# Altium PCB BRG_Daughter_Single.PcbDoc (part 2 of 2)
Units mil, origin at the board's own origin, x right, y up, seen from the top; angles counter-clockwise.
Board outline 3325 x 3080 mil, 4 copper layers (TOP, GND, PWR, BOT), stack 62.731 mil thick; 19 components, 38 nets, 170 pads, 89 vias.
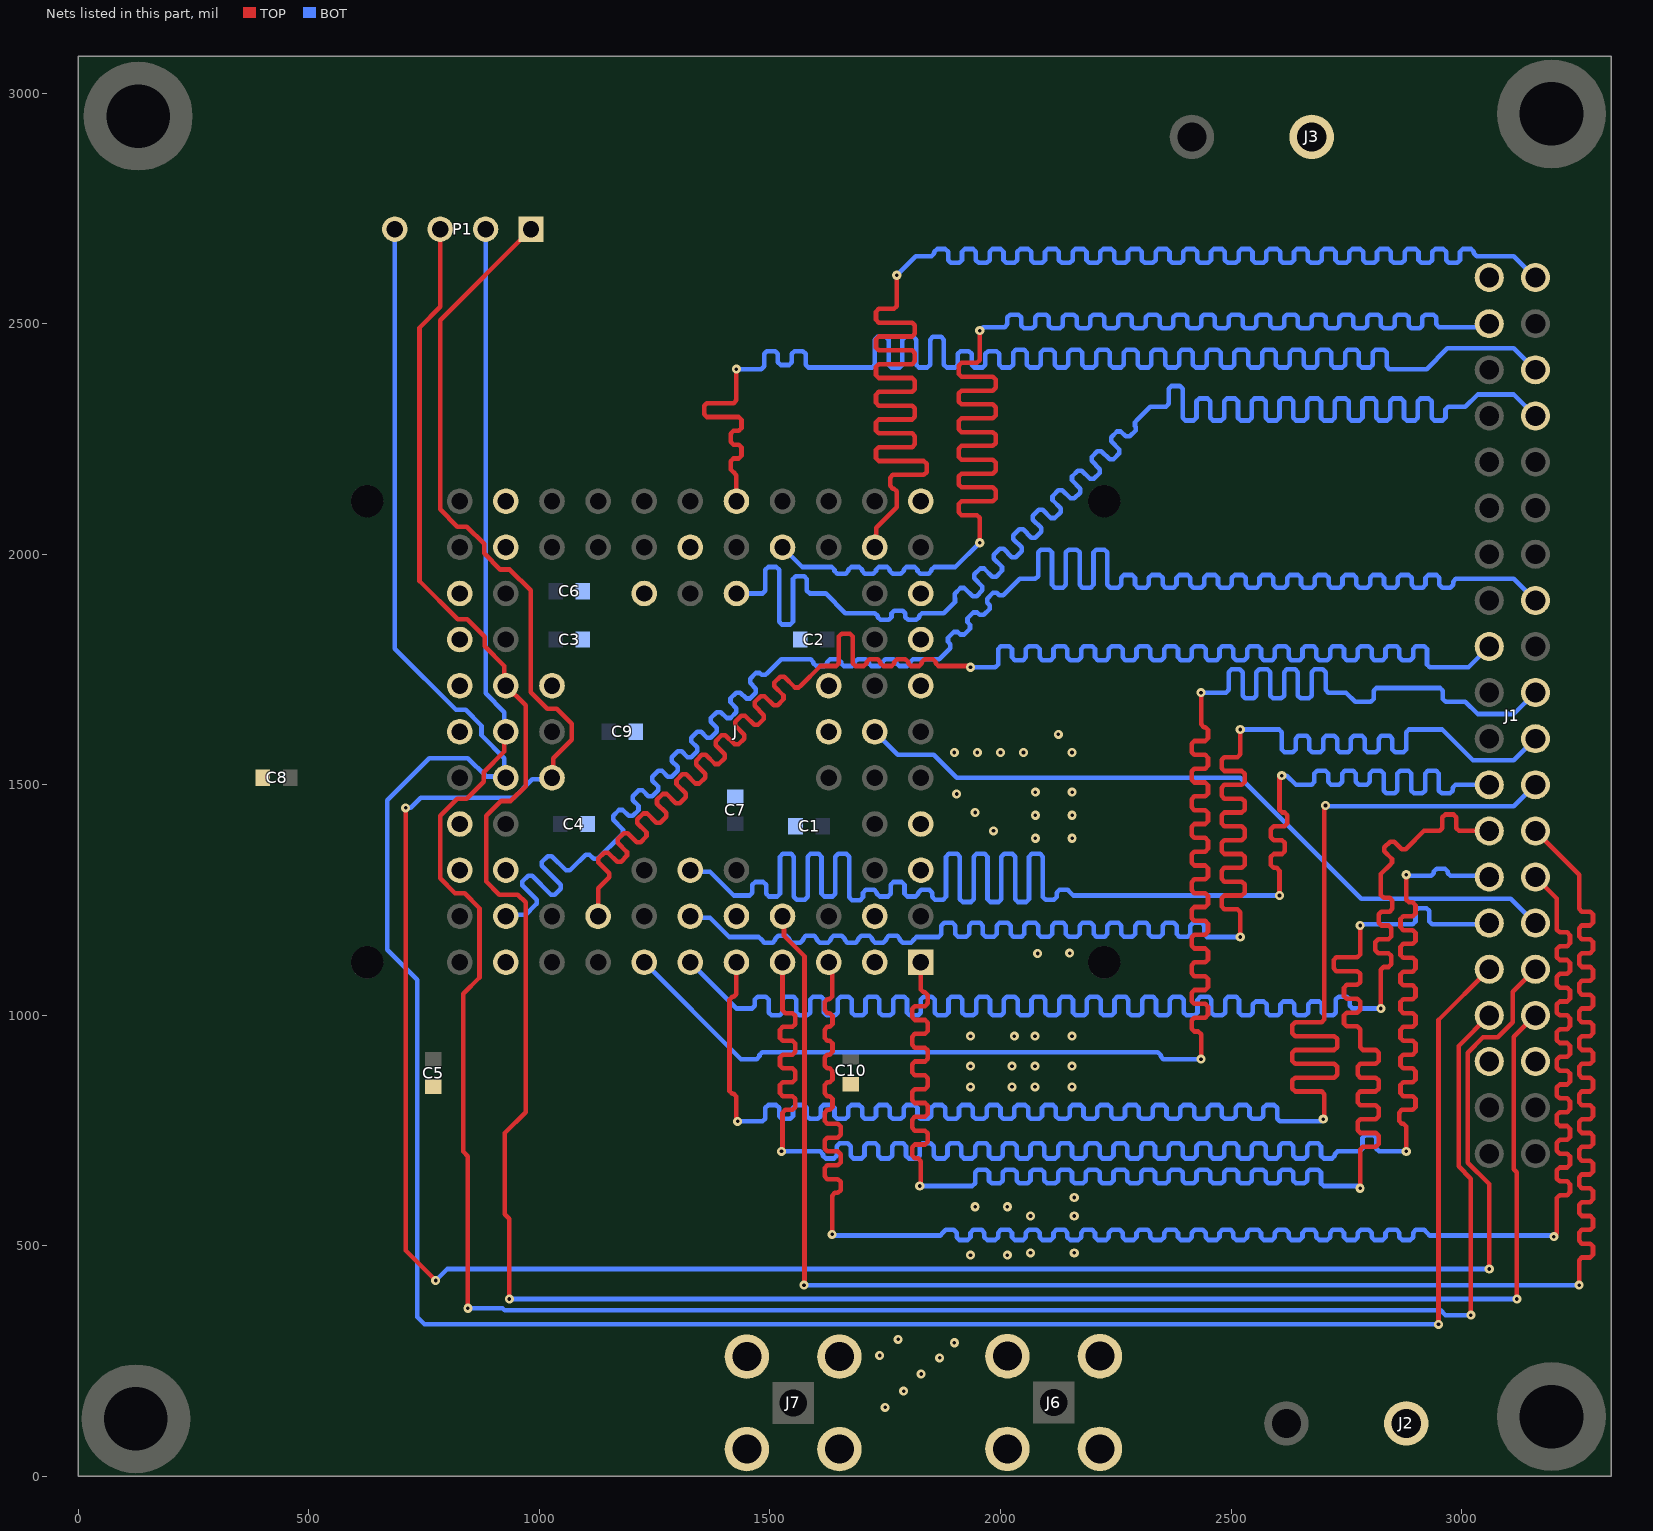
[diagram p4: the nets of this part, all layers, seen from the top]

## Via types
v1: diameter 19.68, hole 7.87, TOP to BOT, 89 vias

## Nets (pads, with @x,y where several pads share a name; then routed paths per layer and width w, separated by ;. In a path a pad name is that pad's centre, name@x,y a point inside that pad or via, vN(x,y) a via of type N, cw(c..) or ccw(c..) an arc to the next point about the centre after c; other vN are vias at no path point) (continued)
CRED_MSG_DOWN_7: J1.8 J.J5 | length 3679.5
  BOT w10: J.J5@1427.36,1915 1479.08,1915 1484.08,1915 1490.08,1921 1490.08,1966.28 1496.08,1972.28 1514.08,1972.28 1520.08,1966.28 1520.08,1853.72 1526.08,1847.72 1544.08,1847.72 1550.08,1853.72 1550.08,1946.28 1556.08,1952.28 1574.08,1952.28 1580.08,1946.28 1580.08,1921 1586.08,1915 1591.08,1915 1621,1915 1663.71,1872.28 1722.71,1872.28 1727.71,1872.28 1733.71,1866.28 1733.71,1863.72 1739.71,1857.72 1757.71,1857.72 1763.71,1863.72 1763.71,1871.78 1769.71,1877.78 1787.71,1877.78 1793.71,1871.78 1793.71,1863.72 1799.71,1857.72 1817.71,1857.72 1823.71,1863.72 1823.71,1866.28 1829.71,1872.28 1834.71,1872.28 1877.28,1872.28 1897.79,1892.79 1901.32,1896.32 1901.32,1904.81 1900.59,1905.54 1900.59,1914.03 1913.32,1926.75 1921.81,1926.75 1939.65,1908.91 1948.14,1908.91 1960.87,1921.63 1960.87,1930.12 1943.02,1947.97 1943.02,1956.45 1955.75,1969.18 1964.23,1969.18 1982.08,1951.33 1990.57,1951.33 2003.29,1964.06 2003.29,1972.55 1985.45,1990.39 1985.45,1998.88 1998.18,2011.61 2006.66,2011.61 2024.51,1993.76 2032.99,1993.76 2045.72,2006.49 2045.72,2014.97 2027.87,2032.82 2027.87,2041.31 2040.6,2054.03 2049.09,2054.03 2066.93,2036.19 2075.42,2036.19 2088.15,2048.91 2088.15,2057.4 2070.3,2075.25 2070.3,2083.73 2083.03,2096.46 2091.51,2096.46 2109.36,2078.61 2117.85,2078.61 2130.57,2091.34 2130.57,2099.83 2112.73,2117.67 2112.73,2126.16 2125.45,2138.89 2133.94,2138.89 2151.79,2121.04 2160.27,2121.04 2173,2133.77 2173,2142.25 2155.15,2160.1 2155.15,2168.58 2167.88,2181.31 2176.37,2181.31 2194.21,2163.47 2202.7,2163.47 2215.43,2176.19 2215.43,2184.68 2197.58,2202.53 2197.58,2211.01 2210.31,2223.74 2218.79,2223.74 2236.64,2205.89 2245.12,2205.89 2257.85,2218.62 2257.85,2227.1 2240.01,2244.95 2240.01,2253.44 2252.73,2266.17 2261.22,2266.17 2271.79,2255.59 2280.28,2255.59 2293,2268.32 2293,2276.81 2291.65,2278.16 2291.65,2286.65 2295.18,2290.18 2325,2320 2354,2320 2359,2320 2365,2326 2365,2359 2371,2365 2389,2365 2395,2359 2395,2296 2401,2290 2419,2290 2425,2296 2425,2331.68 2431,2337.68 2449,2337.68 2455,2331.68 2455,2296 2461,2290 2479,2290 2485,2296 2485,2331.68 2491,2337.68 2509,2337.68 2515,2331.68 2515,2296 2521,2290 2539,2290 2545,2296 2545,2331.68 2551,2337.68 2569,2337.68 2575,2331.68 2575,2296 2581,2290 2599,2290 2605,2296 2605,2331.68 2611,2337.68 2629,2337.68 2635,2331.68 2635,2296 2641,2290 2659,2290 2665,2296 2665,2331.68 2671,2337.68 2689,2337.68 2695,2331.68 2695,2296 2701,2290 2719,2290 2725,2296 2725,2331.68 2731,2337.68 2749,2337.68 2755,2331.68 2755,2296 2761,2290 2779,2290 2785,2296 2785,2331.68 2791,2337.68 2809,2337.68 2815,2331.68 2815,2296 2821,2290 2839,2290 2845,2296 2845,2331.68 2851,2337.68 2869,2337.68 2875,2331.68 2875,2296 2881,2290 2899,2290 2905,2296 2905,2331.68 2911,2337.68 2929,2337.68 2935,2331.68 2935,2296 2941,2290 2959,2290 2965,2296 2965,2314 2971,2320 2976,2320 3008.28,2320 3034.78,2346.5 3113.5,2346.5 J1.8@3160,2300
CRED_MSG_UP_0: J1.29 J.A1 | length 3785.5
  TOP w10: v1(1825,630) 1827.36,632.36 1827.36,679 1827.36,684 1821.36,690 1814.36,690 1808.36,696 1808.36,714 1814.36,720 1836.36,720 1842.36,726 1842.36,744 1836.36,750 1814.36,750 1808.36,756 1808.36,774 1814.36,780 1836.36,780 1842.36,786 1842.36,804 1836.36,810 1814.36,810 1808.36,816 1808.36,834 1814.36,840 1836.36,840 1842.36,846 1842.36,864 1836.36,870 1814.36,870 1808.36,876 1808.36,894 1814.36,900 1836.36,900 1842.36,906 1842.36,924 1836.36,930 1814.36,930 1808.36,936 1808.36,954 1814.36,960 1836.36,960 1842.36,966 1842.36,984 1836.36,990 1814.36,990 1808.36,996 1808.36,1014 1814.36,1020 1836.36,1020 1842.36,1026 1842.36,1044 1836.36,1050 1833.36,1050 1827.36,1056 1827.36,1061 J.A1@1827.36,1115 ; v1(2780,625) 2780,704 2780,709 2786,715 2814,715 2820,721 2820,739 2814,745 2780.5,745 2774.5,751 2774.5,769 2780.5,775 2814,775 2820,781 2820,799 2814,805 2780.5,805 2774.5,811 2774.5,829 2780.5,835 2814,835 2820,841 2820,859 2814,865 2780.5,865 2774.5,871 2774.5,889 2780.5,895 2814,895 2820,901 2820,919 2814,925 2786,925 2780,931 2780,936 2780,965 2780,970 2774,976 2751,976 2745,982 2745,1000 2751,1006 2774,1006 2780,1012 2780,1030 2774,1036 2751,1036 2745,1042 2745,1060 2751,1066 2774,1066 2780,1072 2780,1090 2774,1096 2728.5,1096 2722.5,1102 2722.5,1120 2728.5,1126 2774,1126 2780,1132 2780,1137 v1(2780,1195)
  BOT w10: v1(1825,630) 1934,630 1939,630 1945,636 1945,659.5 1951,665.5 1969,665.5 1975,659.5 1975,641.5 1981,635.5 1999,635.5 2005,641.5 2005,659.5 2011,665.5 2029,665.5 2035,659.5 2035,641.5 2041,635.5 2059,635.5 2065,641.5 2065,659.5 2071,665.5 2089,665.5 2095,659.5 2095,641.5 2101,635.5 2119,635.5 2125,641.5 2125,659.5 2131,665.5 2149,665.5 2155,659.5 2155,641.5 2161,635.5 2179,635.5 2185,641.5 2185,659.5 2191,665.5 2209,665.5 2215,659.5 2215,641.5 2221,635.5 2239,635.5 2245,641.5 2245,659.5 2251,665.5 2269,665.5 2275,659.5 2275,641.5 2281,635.5 2299,635.5 2305,641.5 2305,659.5 2311,665.5 2329,665.5 2335,659.5 2335,641.5 2341,635.5 2359,635.5 2365,641.5 2365,659.5 2371,665.5 2389,665.5 2395,659.5 2395,641.5 2401,635.5 2419,635.5 2425,641.5 2425,659.5 2431,665.5 2449,665.5 2455,659.5 2455,641.5 2461,635.5 2479,635.5 2485,641.5 2485,659.5 2491,665.5 2509,665.5 2515,659.5 2515,641.5 2521,635.5 2539,635.5 2545,641.5 2545,659.5 2551,665.5 2569,665.5 2575,659.5 2575,641.5 2581,635.5 2599,635.5 2605,641.5 2605,659.5 2611,665.5 2629,665.5 2635,659.5 2635,641.5 2641,635.5 2659,635.5 2665,641.5 2665,659.5 2671,665.5 2689,665.5 2695,659.5 2695,636 2701,630 2706,630 2775,630 v1(2780,625) ; v1(2780,1195) 2782.5,1197.5 2889,1197.5 2894,1197.5 2900,1203.5 2900,1226.5 2906,1232.5 2924,1232.5 2930,1226.5 2930,1203.5 2936,1197.5 2941,1197.5 3057.5,1197.5 J1.29@3060,1200
CRED_MSG_UP_1: J1.28 J.A3 | length 4148.4
  TOP w10: J.A3@1627.36,1115 1635,1107.36 1635,1046 1635,1041 1629,1035 1624.5,1035 1618.5,1029 1618.5,1011 1624.5,1005 1629.78,1005 1635.78,999 1635.78,981 1629.78,975 1624.5,975 1618.5,969 1618.5,951 1624.5,945 1629.78,945 1635.78,939 1635.78,921 1629.78,915 1624.5,915 1618.5,909 1618.5,891 1624.5,885 1629.78,885 1635.78,879 1635.78,861 1629.78,855 1624.5,855 1618.5,849 1618.5,831 1624.5,825 1629.78,825 1635.78,819 1635.78,801 1629.78,795 1624.5,795 1618.5,789 1618.5,771 1624.5,765 1647.5,765 1653.5,759 1653.5,741 1647.5,735 1624.5,735 1618.5,729 1618.5,711 1624.5,705 1647.5,705 1653.5,699 1653.5,681 1647.5,675 1624.5,675 1618.5,669 1618.5,651 1624.5,645 1647.5,645 1653.5,639 1653.5,621 1647.5,615 1641,615 1635,609 1635,604 v1(1635,525) ; J1.28@3160,1300 3206.5,1253.5 3206.5,1191 3206.5,1186 3212.5,1180 3229,1180 3235,1174 3235,1156 3229,1150 3212.5,1150 3206.5,1144 3206.5,1126 3212.5,1120 3229,1120 3235,1114 3235,1096 3229,1090 3212.5,1090 3206.5,1084 3206.5,1066 3212.5,1060 3229,1060 3235,1054 3235,1036 3229,1030 3212.5,1030 3206.5,1024 3206.5,1006 3212.5,1000 3229,1000 3235,994 3235,976 3229,970 3212.5,970 3206.5,964 3206.5,946 3212.5,940 3229,940 3235,934 3235,916 3229,910 3212.5,910 3206.5,904 3206.5,886 3212.5,880 3229,880 3235,874 3235,856 3229,850 3212.5,850 3206.5,844 3206.5,826 3212.5,820 3229,820 3235,814 3235,796 3229,790 3212.5,790 3206.5,784 3206.5,766 3212.5,760 3229,760 3235,754 3235,736 3229,730 3212.5,730 3206.5,724 3206.5,706 3212.5,700 3229,700 3235,694 3235,676 3229,670 3212.5,670 3206.5,664 3206.5,646 3212.5,640 3229,640 3235,634 3235,616 3229,610 3212.5,610 3206.5,604 3206.5,599 3206.5,526.5 v1(3200,520)
  BOT w10: v1(1635,525) 1637.5,522.5 1864,522.5 1869,522.5 1875,528.5 1875,528.69 1881,534.69 1899,534.69 1905,528.69 1905,518.84 1911,512.84 1929,512.84 1935,518.84 1935,528.69 1941,534.69 1959,534.69 1965,528.69 1965,518.84 1971,512.84 1989,512.84 1995,518.84 1995,528.69 2001,534.69 2019,534.69 2025,528.69 2025,518.84 2031,512.84 2049,512.84 2055,518.84 2055,528.69 2061,534.69 2079,534.69 2085,528.69 2085,518.84 2091,512.84 2109,512.84 2115,518.84 2115,528.69 2121,534.69 2139,534.69 2145,528.69 2145,518.84 2151,512.84 2169,512.84 2175,518.84 2175,528.69 2181,534.69 2199,534.69 2205,528.69 2205,518.84 2211,512.84 2229,512.84 2235,518.84 2235,528.69 2241,534.69 2259,534.69 2265,528.69 2265,518.84 2271,512.84 2289,512.84 2295,518.84 2295,528.69 2301,534.69 2319,534.69 2325,528.69 2325,518.84 2331,512.84 2349,512.84 2355,518.84 2355,528.69 2361,534.69 2379,534.69 2385,528.69 2385,518.84 2391,512.84 2409,512.84 2415,518.84 2415,528.69 2421,534.69 2439,534.69 2445,528.69 2445,518.84 2451,512.84 2469,512.84 2475,518.84 2475,528.69 2481,534.69 2499,534.69 2505,528.69 2505,518.84 2511,512.84 2529,512.84 2535,518.84 2535,528.69 2541,534.69 2559,534.69 2565,528.69 2565,518.84 2571,512.84 2589,512.84 2595,518.84 2595,528.69 2601,534.69 2619,534.69 2625,528.69 2625,518.84 2631,512.84 2649,512.84 2655,518.84 2655,528.69 2661,534.69 2679,534.69 2685,528.69 2685,518.84 2691,512.84 2709,512.84 2715,518.84 2715,528.69 2721,534.69 2739,534.69 2745,528.69 2745,518.84 2751,512.84 2769,512.84 2775,518.84 2775,528.69 2781,534.69 2799,534.69 2805,528.69 2805,518.84 2811,512.84 2829,512.84 2835,518.84 2835,528.69 2841,534.69 2859,534.69 2865,528.69 2865,518.84 2871,512.84 2889,512.84 2895,518.84 2895,528.69 2901,534.69 2919,534.69 2925,528.69 2925,528.5 2931,522.5 2936,522.5 3197.5,522.5 v1(3200,520)
CRED_MSG_UP_2: J1.27 J.A4 | length 4160.4
  TOP w10: v1(1525,705) 1527.36,707.36 1527.36,784 1527.36,789 1533.36,795 1549,795 1555,801 1555,819 1549,825 1527.86,825 1521.86,831 1521.86,849 1527.86,855 1549,855 1555,861 1555,879 1549,885 1527.86,885 1521.86,891 1521.86,909 1527.86,915 1549,915 1555,921 1555,939 1549,945 1527.86,945 1521.86,951 1521.86,969 1527.86,975 1549,975 1555,981 1555,999 1549,1005 1533.36,1005 1527.36,1011 1527.36,1016 J.A4@1527.36,1115 ; v1(2880,705) 2880,754 2880,759 2874,765 2870.5,765 2864.5,771 2864.5,789 2870.5,795 2894,795 2900,801 2900,819 2894,825 2873.5,825 2867.5,831 2867.5,849 2873.5,855 2894,855 2900,861 2900,879 2894,885 2873.5,885 2867.5,891 2867.5,909 2873.5,915 2894,915 2900,921 2900,939 2894,945 2873.5,945 2867.5,951 2867.5,969 2873.5,975 2894,975 2900,981 2900,999 2894,1005 2873.5,1005 2867.5,1011 2867.5,1029 2873.5,1035 2894,1035 2900,1041 2900,1059 2894,1065 2873.5,1065 2867.5,1071 2867.5,1089 2873.5,1095 2894,1095 2900,1101 2900,1119 2894,1125 2873.5,1125 2867.5,1131 2867.5,1149 2873.5,1155 2894,1155 2900,1161 2900,1179 2894,1185 2873.5,1185 2867.5,1191 2867.5,1209 2873.5,1215 2894,1215 2900,1221 2900,1239 2894,1245 2886,1245 2880,1251 2880,1256 v1(2880,1305)
  BOT w10: v1(1525,705) 1604,705 1609,705 1615,699 1615,695.7 1621,689.7 1639,689.7 1645,695.7 1645,716.25 1651,722.25 1669,722.25 1675,716.25 1675,695.7 1681,689.7 1699,689.7 1705,695.7 1705,716.25 1711,722.25 1729,722.25 1735,716.25 1735,695.7 1741,689.7 1759,689.7 1765,695.7 1765,716.25 1771,722.25 1789,722.25 1795,716.25 1795,695.7 1801,689.7 1819,689.7 1825,695.7 1825,716.25 1831,722.25 1849,722.25 1855,716.25 1855,695.7 1861,689.7 1879,689.7 1885,695.7 1885,716.25 1891,722.25 1909,722.25 1915,716.25 1915,695.7 1921,689.7 1939,689.7 1945,695.7 1945,716.25 1951,722.25 1969,722.25 1975,716.25 1975,695.7 1981,689.7 1999,689.7 2005,695.7 2005,716.25 2011,722.25 2029,722.25 2035,716.25 2035,695.7 2041,689.7 2059,689.7 2065,695.7 2065,716.25 2071,722.25 2089,722.25 2095,716.25 2095,695.7 2101,689.7 2119,689.7 2125,695.7 2125,716.25 2131,722.25 2149,722.25 2155,716.25 2155,695.7 2161,689.7 2179,689.7 2185,695.7 2185,716.25 2191,722.25 2209,722.25 2215,716.25 2215,695.7 2221,689.7 2239,689.7 2245,695.7 2245,716.25 2251,722.25 2269,722.25 2275,716.25 2275,695.7 2281,689.7 2299,689.7 2305,695.7 2305,716.25 2311,722.25 2329,722.25 2335,716.25 2335,695.7 2341,689.7 2359,689.7 2365,695.7 2365,716.25 2371,722.25 2389,722.25 2395,716.25 2395,695.7 2401,689.7 2419,689.7 2425,695.7 2425,716.25 2431,722.25 2449,722.25 2455,716.25 2455,695.7 2461,689.7 2479,689.7 2485,695.7 2485,716.25 2491,722.25 2509,722.25 2515,716.25 2515,695.7 2521,689.7 2539,689.7 2545,695.7 2545,716.25 2551,722.25 2569,722.25 2575,716.25 2575,695.7 2581,689.7 2599,689.7 2605,695.7 2605,716.25 2611,722.25 2629,722.25 2635,716.25 2635,695.7 2641,689.7 2659,689.7 2665,695.7 2665,716.25 2671,722.25 2689,722.25 2695,716.25 2695,695.7 2701,689.7 2719,689.7 2725,695.7 2725,699 2731,705 2736,705 2774,705 2779,705 2785,711 2785,734 2791,740 2809,740 2815,734 2815,711 2821,705 2826,705 v1(2880,705) ; v1(2880,1305) 2882.5,1302.5 2929,1302.5 2934,1302.5 2940,1308.5 2940,1312 2946,1318 2964,1318 2970,1312 2970,1308.5 2976,1302.5 2981,1302.5 3057.5,1302.5 J1.27@3060,1300
CRED_MSG_UP_3: J1.26 J.B4 | length 4123
  TOP w10: J.B4@1527.36,1215 1530.49,1211.87 1530.49,1172.28 1575,1127.77 1575,415.9 v1(1573.95,414.84) ; J1.26@3160,1400 3255,1305 3255,1236 3255,1231 3261,1225 3279,1225 3285,1219 3285,1201 3279,1195 3261,1195 3255,1189 3255,1171 3261,1165 3279,1165 3285,1159 3285,1141 3279,1135 3261,1135 3255,1129 3255,1111 3261,1105 3279,1105 3285,1099 3285,1081 3279,1075 3261,1075 3255,1069 3255,1051 3261,1045 3279,1045 3285,1039 3285,1021 3279,1015 3261,1015 3255,1009 3255,991 3261,985 3279,985 3285,979 3285,961 3279,955 3261,955 3255,949 3255,931 3261,925 3279,925 3285,919 3285,901 3279,895 3261,895 3255,889 3255,871 3261,865 3279,865 3285,859 3285,841 3279,835 3261,835 3255,829 3255,811 3261,805 3279,805 3285,799 3285,781 3279,775 3261,775 3255,769 3255,751 3261,745 3279,745 3285,739 3285,721 3279,715 3261,715 3255,709 3255,691 3261,685 3279,685 3285,679 3285,661 3279,655 3261,655 3255,649 3255,631 3261,625 3279,625 3285,619 3285,601 3279,595 3261,595 3255,589 3255,571 3261,565 3279,565 3285,559 3285,541 3279,535 3261,535 3255,529 3255,511 3261,505 3279,505 3285,499 3285,481 3279,475 3261,475 3255,469 3255,464 v1(3255,415)
  BOT w10: v1(1573.95,414.84) 1574.03,414.92 3254.92,414.92 v1(3255,415)
CRED_MSG_UP_4: J1.25 J.A6 | length 3719.8
  TOP w10: v1(2825,1015) 2825,1094 2825,1099 2831,1105 2841.5,1105 2847.5,1111 2847.5,1129 2841.5,1135 2819,1135 2813,1141 2813,1159 2819,1165 2841.5,1165 2847.5,1171 2847.5,1189 2841.5,1195 2826,1195 2820,1201 2820,1219 2826,1225 2844,1225 2850,1231 2850,1249 2844,1255 2831,1255 2825,1261 2825,1266 2825,1306.57 2845.51,1327.07 2849.04,1330.61 2849.04,1339.1 2832.42,1355.71 2832.42,1364.2 2845.15,1376.93 2853.64,1376.93 2870.25,1360.31 2878.74,1360.31 2882.28,1363.84 2918.43,1400 2947.43,1400 2952.43,1400 2958.43,1406 2958.43,1429.5 2964.43,1435.5 2982.43,1435.5 2988.43,1429.5 2988.43,1406 2994.43,1400 2999.43,1400 J1.25@3060,1400
  BOT w10: J.A6@1327.36,1115 1427.36,1015 1456.36,1015 1461.36,1015 1467.36,1021 1467.36,1034.5 1473.36,1040.5 1491.36,1040.5 1497.36,1034.5 1497.36,1006 1503.36,1000 1521.36,1000 1527.36,1006 1527.36,1034.5 1533.36,1040.5 1551.36,1040.5 1557.36,1034.5 1557.36,1006 1563.36,1000 1581.36,1000 1587.36,1006 1587.36,1034.5 1593.36,1040.5 1611.36,1040.5 1617.36,1034.5 1617.36,1006 1623.36,1000 1641.36,1000 1647.36,1006 1647.36,1034.5 1653.36,1040.5 1671.36,1040.5 1677.36,1034.5 1677.36,1006 1683.36,1000 1701.36,1000 1707.36,1006 1707.36,1034.5 1713.36,1040.5 1731.36,1040.5 1737.36,1034.5 1737.36,1006 1743.36,1000 1761.36,1000 1767.36,1006 1767.36,1034.5 1773.36,1040.5 1791.36,1040.5 1797.36,1034.5 1797.36,1006 1803.36,1000 1821.36,1000 1827.36,1006 1827.36,1034.5 1833.36,1040.5 1851.36,1040.5 1857.36,1034.5 1857.36,1006 1863.36,1000 1881.36,1000 1887.36,1006 1887.36,1034.5 1893.36,1040.5 1911.36,1040.5 1917.36,1034.5 1917.36,1006 1923.36,1000 1941.36,1000 1947.36,1006 1947.36,1034 1953.36,1040 1971.36,1040 1977.36,1034 1977.36,1006 1983.36,1000 2001.36,1000 2007.36,1006 2007.36,1034 2013.36,1040 2031.36,1040 2037.36,1034 2037.36,1006 2043.36,1000 2061.36,1000 2067.36,1006 2067.36,1034 2073.36,1040 2091.36,1040 2097.36,1034 2097.36,1006 2103.36,1000 2121.36,1000 2127.36,1006 2127.36,1034 2133.36,1040 2151.36,1040 2157.36,1034 2157.36,1006 2163.36,1000 2181.36,1000 2187.36,1006 2187.36,1034 2193.36,1040 2211.36,1040 2217.36,1034 2217.36,1006 2223.36,1000 2241.36,1000 2247.36,1006 2247.36,1034 2253.36,1040 2271.36,1040 2277.36,1034 2277.36,1006 2283.36,1000 2301.36,1000 2307.36,1006 2307.36,1034 2313.36,1040 2331.36,1040 2337.36,1034 2337.36,1006 2343.36,1000 2361.36,1000 2367.36,1006 2367.36,1034 2373.36,1040 2391.36,1040 2397.36,1034 2397.36,1006 2403.36,1000 2421.36,1000 2427.36,1006 2427.36,1034 2433.36,1040 2451.36,1040 2457.36,1034 2457.36,1006 2463.36,1000 2481.36,1000 2487.36,1006 2487.36,1034 2493.36,1040 2511.36,1040 2517.36,1034 2517.36,1006 2523.36,1000 2541.36,1000 2547.36,1006 2547.36,1024 2553.36,1030 2571.36,1030 2577.36,1024 2577.36,1006 2583.36,1000 2601.36,1000 2607.36,1006 2607.36,1024 2613.36,1030 2631.36,1030 2637.36,1024 2637.36,1006 2643.36,1000 2661.36,1000 2667.36,1006 2667.36,1024 2673.36,1030 2691.36,1030 2697.36,1024 2697.36,1006 2703.36,1000 2721.36,1000 2727.36,1006 2727.36,1034.54 2733.36,1040.54 2751.36,1040.54 2757.36,1034.54 2757.36,1021 2763.36,1015 2768.36,1015 v1(2825,1015)
CRED_MSG_UP_5: J1.24 J.A5 | length 4160.6
  TOP w10: J.A5@1427.36,1115 1427.36,1046 1421.36,1040 1418.36,1040 1412.36,1034 1412.36,836 1418.36,830 1421.36,830 1427.36,824 1427.36,772.64 v1(1430,770) ; v1(2700,775) 2702.5,777.5 2702.5,824 2702.5,829 2696.5,835 2639,835 2633,841 2633,859 2639,865 2724.22,865 2730.22,871 2730.22,889 2724.22,895 2639,895 2633,901 2633,919 2639,925 2724.22,925 2730.22,931 2730.22,949 2724.22,955 2639,955 2633,961 2633,979 2639,985 2696.5,985 2702.5,991 2702.5,996 2702.5,1452.5 v1(2705,1455)
  BOT w10: v1(1430,770) 1479,770 1484,770 1490,776 1490,799.5 1496,805.5 1514,805.5 1520,799.5 1520,781.5 1526,775.5 1544,775.5 1550,781.5 1550,799.5 1556,805.5 1574,805.5 1580,799.5 1580,781.5 1586,775.5 1604,775.5 1610,781.5 1610,799.5 1616,805.5 1634,805.5 1640,799.5 1640,781.5 1646,775.5 1664,775.5 1670,781.5 1670,799.5 1676,805.5 1694,805.5 1700,799.5 1700,781.5 1706,775.5 1724,775.5 1730,781.5 1730,799.5 1736,805.5 1754,805.5 1760,799.5 1760,781.5 1766,775.5 1784,775.5 1790,781.5 1790,799.5 1796,805.5 1814,805.5 1820,799.5 1820,781.5 1826,775.5 1844,775.5 1850,781.5 1850,799.5 1856,805.5 1874,805.5 1880,799.5 1880,781.5 1886,775.5 1904,775.5 1910,781.5 1910,799.5 1916,805.5 1934,805.5 1940,799.5 1940,781.5 1946,775.5 1964,775.5 1970,781.5 1970,799.5 1976,805.5 1994,805.5 2000,799.5 2000,781.5 2006,775.5 2024,775.5 2030,781.5 2030,799.5 2036,805.5 2054,805.5 2060,799.5 2060,781.5 2066,775.5 2084,775.5 2090,781.5 2090,799.5 2096,805.5 2114,805.5 2120,799.5 2120,781.5 2126,775.5 2144,775.5 2150,781.5 2150,799.5 2156,805.5 2174,805.5 2180,799.5 2180,781.5 2186,775.5 2204,775.5 2210,781.5 2210,799.5 2216,805.5 2234,805.5 2240,799.5 2240,781.5 2246,775.5 2264,775.5 2270,781.5 2270,799.5 2276,805.5 2294,805.5 2300,799.5 2300,781.5 2306,775.5 2324,775.5 2330,781.5 2330,799.5 2336,805.5 2354,805.5 2360,799.5 2360,781.5 2366,775.5 2384,775.5 2390,781.5 2390,799.5 2396,805.5 2414,805.5 2420,799.5 2420,781.5 2426,775.5 2444,775.5 2450,781.5 2450,799.5 2456,805.5 2474,805.5 2480,799.5 2480,781.5 2486,775.5 2504,775.5 2510,781.5 2510,799.5 2516,805.5 2534,805.5 2540,799.5 2540,781.5 2546,775.5 2564,775.5 2570,781.5 2570,799.5 2576,805.5 2594,805.5 2600,799.5 2600,776 2606,770 2611,770 2695,770 v1(2700,775) ; v1(2705,1455) 2706.5,1453.5 3113.5,1453.5 J1.24@3160,1500
CRED_MSG_UP_6: J1.23 J.C6 | length 3915.3
  TOP w10: v1(2605,1260) 2605,1309 2605,1314 2599,1320 2592.5,1320 2586.5,1326 2586.5,1344 2592.5,1350 2610.5,1350 2616.5,1356 2616.5,1374 2610.5,1380 2592.5,1380 2586.5,1386 2586.5,1404 2592.5,1410 2616,1410 2622,1416 2622,1434 2616,1440 2611,1440 2605,1446 2605,1451 2605,1515 v1(2610,1520)
  BOT w10: J.C6@1327.36,1315 1330.49,1311.87 1370.08,1311.87 1421.95,1260 1450.95,1260 1455.95,1260 1461.95,1266 1461.95,1283.18 1467.95,1289.18 1485.95,1289.18 1491.95,1283.18 1491.95,1263.72 1497.95,1257.72 1515.95,1257.72 1521.95,1263.72 1521.95,1344.21 1527.95,1350.21 1545.95,1350.21 1551.95,1344.21 1551.95,1256.82 1557.95,1250.82 1575.95,1250.82 1581.95,1256.82 1581.95,1344.21 1587.95,1350.21 1605.95,1350.21 1611.95,1344.21 1611.95,1263.72 1617.95,1257.72 1635.95,1257.72 1641.95,1263.72 1641.95,1344.21 1647.95,1350.21 1665.95,1350.21 1671.95,1344.21 1671.95,1256 1677.95,1250 1695.95,1250 1701.95,1256 1701.95,1266.28 1707.95,1272.28 1725.95,1272.28 1731.95,1266.28 1731.95,1263.72 1737.95,1257.72 1755.95,1257.72 1761.95,1263.72 1761.95,1283.18 1767.95,1289.18 1785.95,1289.18 1791.95,1283.18 1791.95,1263.72 1797.95,1257.72 1815.95,1257.72 1821.95,1263.72 1821.95,1266.28 1827.95,1272.28 1845.95,1272.28 1851.95,1266.28 1851.95,1256.82 1857.95,1250.82 1875.95,1250.82 1881.95,1256.82 1881.95,1344.21 1887.95,1350.21 1905.95,1350.21 1911.95,1344.21 1911.95,1251.93 1917.95,1245.93 1935.95,1245.93 1941.95,1251.93 1941.95,1344.21 1947.95,1350.21 1965.95,1350.21 1971.95,1344.21 1971.95,1251.93 1977.95,1245.93 1995.95,1245.93 2001.95,1251.93 2001.95,1344.21 2007.95,1350.21 2025.95,1350.21 2031.95,1344.21 2031.95,1251.93 2037.95,1245.93 2055.95,1245.93 2061.95,1251.93 2061.95,1344.21 2067.95,1350.21 2085.95,1350.21 2091.95,1344.21 2091.95,1256.78 2097.95,1250.78 2115.95,1250.78 2121.95,1256.78 2121.95,1266 2127.95,1272 2145.95,1272 2151.95,1266 2157.95,1260 2522.95,1260 v1(2605,1260) ; v1(2610,1520) 2620.82,1520 2640.82,1500 2669.82,1500 2674.82,1500 2680.82,1506 2680.82,1524.5 2686.82,1530.5 2704.82,1530.5 2710.82,1524.5 2710.82,1506.5 2716.82,1500.5 2734.82,1500.5 2740.82,1506.5 2740.82,1524.5 2746.82,1530.5 2764.82,1530.5 2770.82,1524.5 2770.82,1506.5 2776.82,1500.5 2794.82,1500.5 2800.82,1506.5 2800.82,1524.5 2806.82,1530.5 2824.82,1530.5 2830.82,1524.5 2830.82,1487.5 2836.82,1481.5 2854.82,1481.5 2860.82,1487.5 2860.82,1524.5 2866.82,1530.5 2884.82,1530.5 2890.82,1524.5 2890.82,1487.5 2896.82,1481.5 2914.82,1481.5 2920.82,1487.5 2920.82,1524.5 2926.82,1530.5 2944.82,1530.5 2950.82,1524.5 2950.82,1487.5 2956.82,1481.5 2974.82,1481.5 2980.82,1487.5 2980.82,1494 2986.82,1500 2991.82,1500 J1.23@3060,1500